# Altium PCB BBB_Cape_4_Layer_template.PcbDoc
Units mm, origin at the board's own origin, x right, y up, seen from the top; angles counter-clockwise.
Board outline 86.36 x 54.61 mm, 4 copper layers (Top, Plane 1, Plane 2, Bottom), stack 1.506 mm thick; 6 components, 82 nets, 92 pads, 0 vias.
Unrouted connection lines stored in the file: 10.
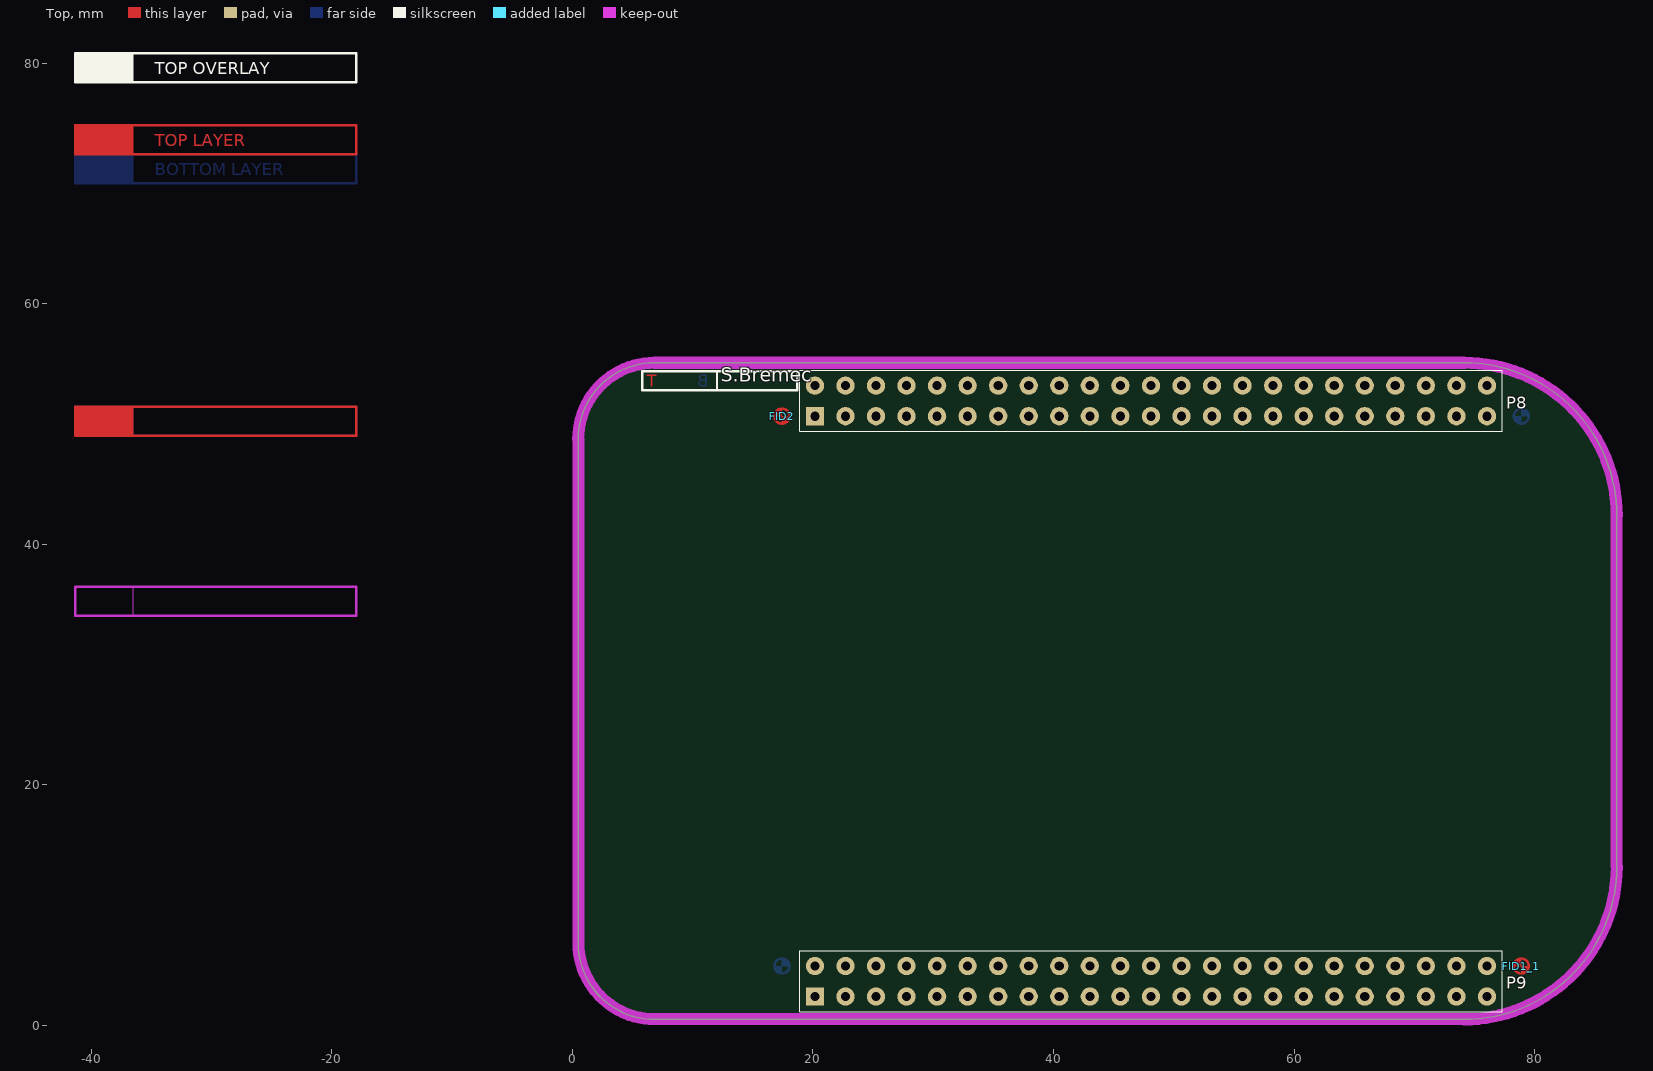
[diagram p0: Top view]
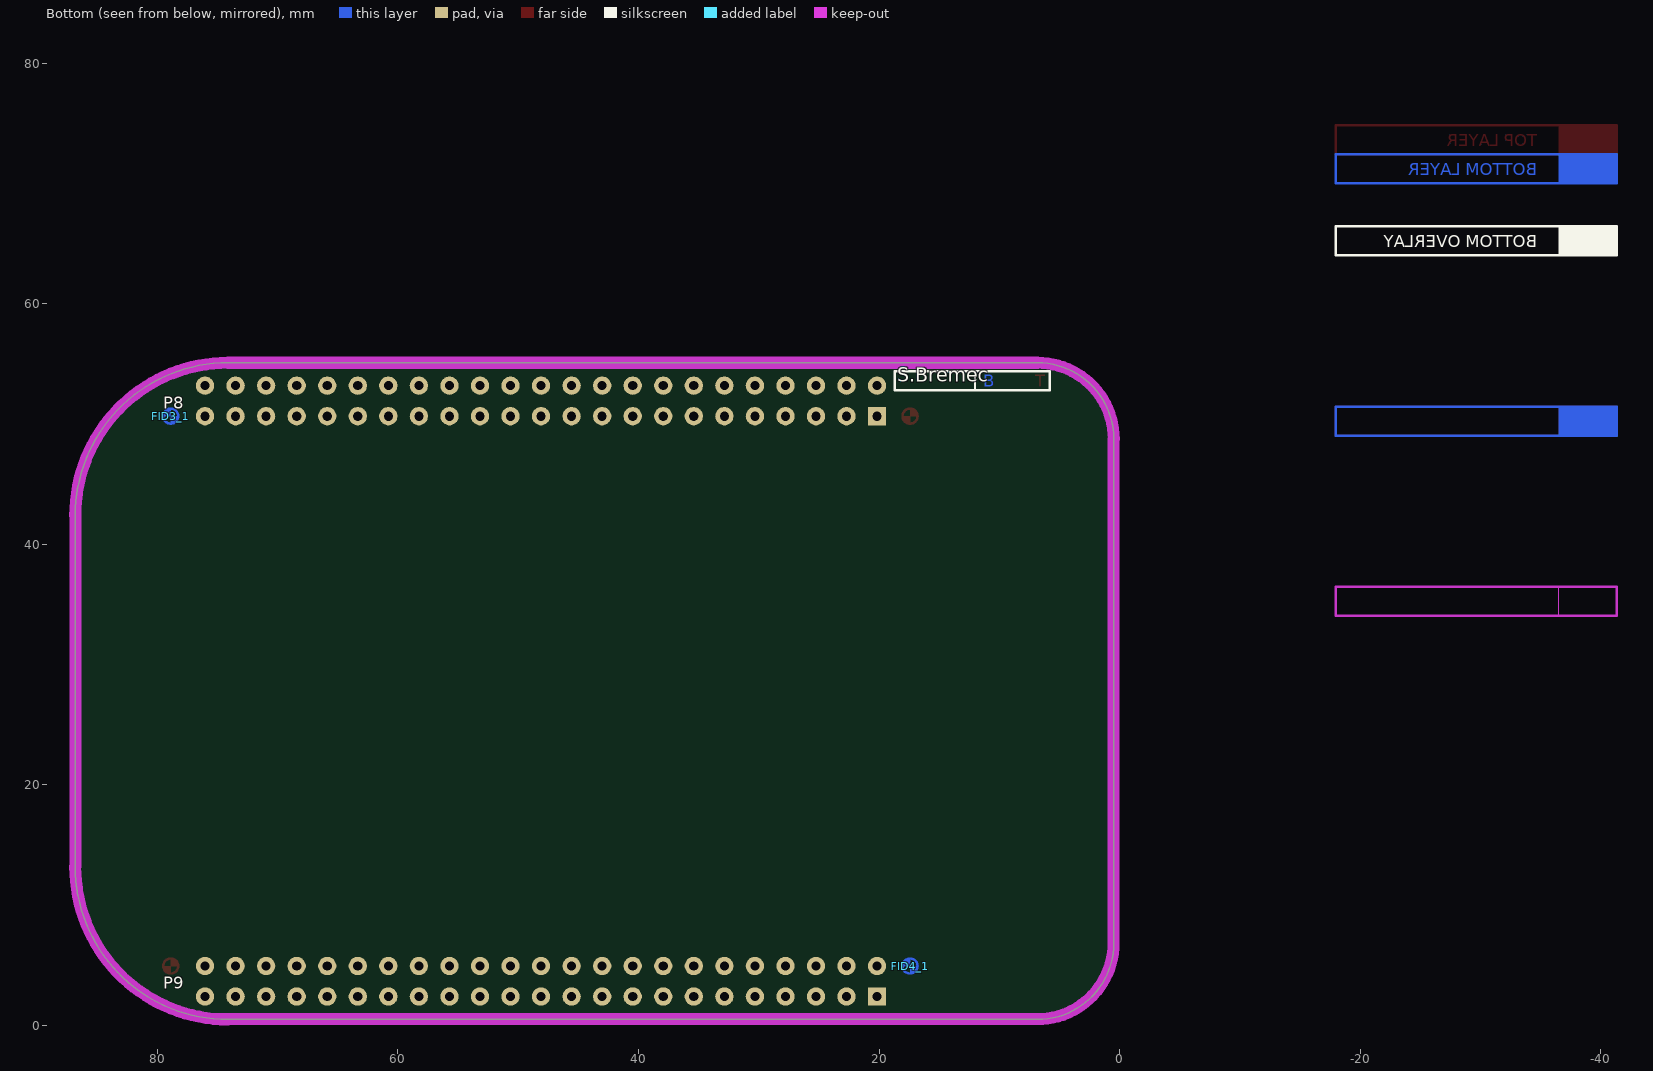
[diagram p1: Bottom view, seen from below]
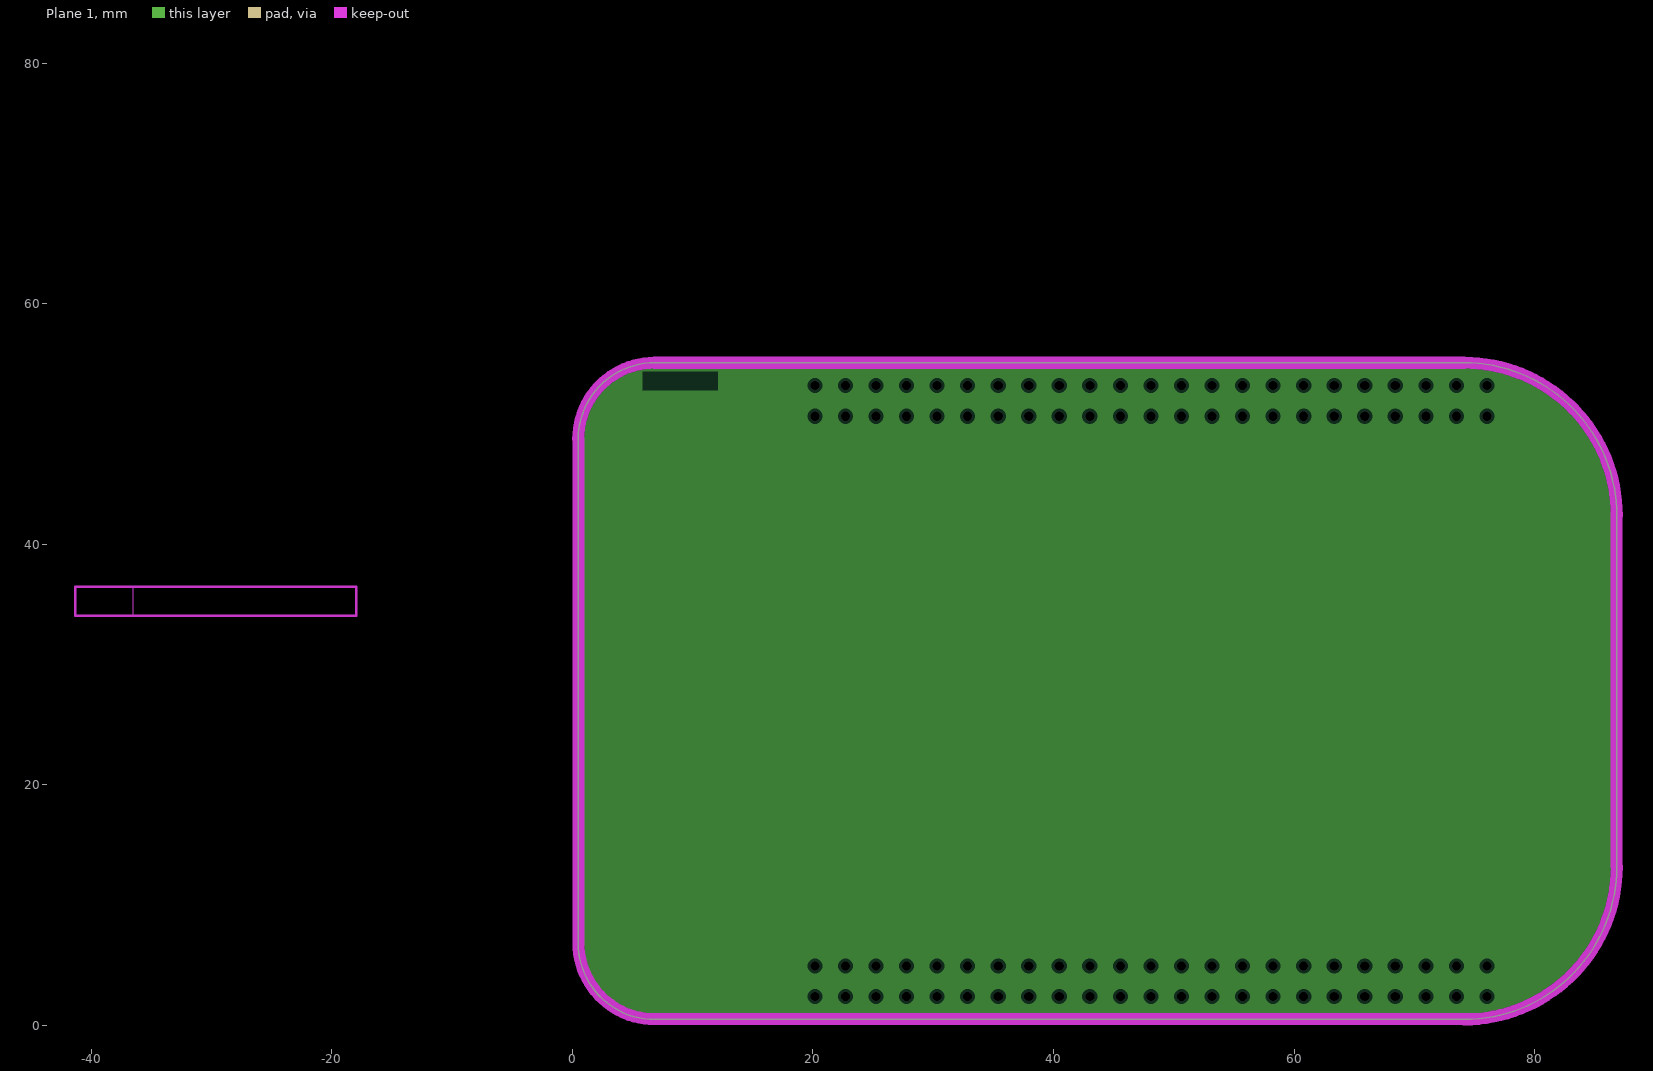
[diagram p2: Plane 1, clearances drawn from the general rule]
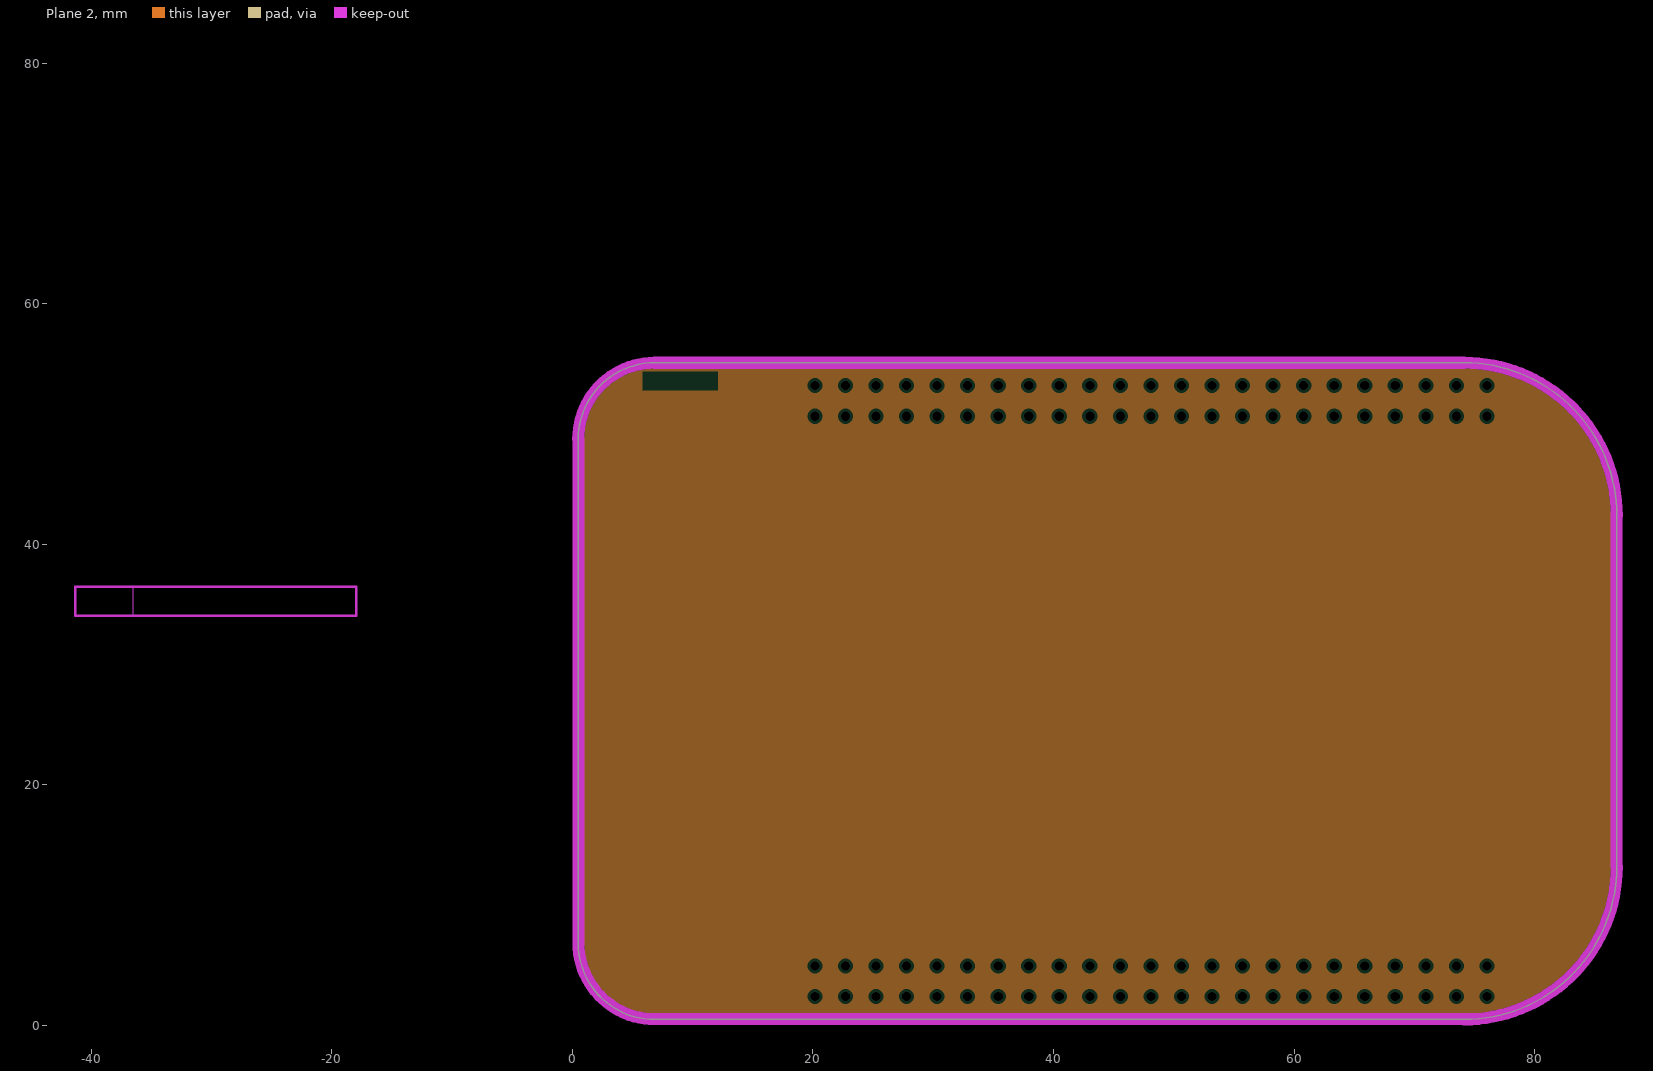
[diagram p3: Plane 2, clearances drawn from the general rule]

## Layer stack, top to bottom
Top: signal copper 0.035
Dielectric: core 0.2, FR-4, Dk 4.8
Plane 1: plane copper 0.018
Dielectric: prepreg 1, FR-4, Dk 4.8
Plane 2: plane copper 0.018
Dielectric: core 0.2, FR-4, Dk 4.8
Bottom: signal copper 0.035

## Board outline
0.478,6.828 ccw(c6.828,6.828) 6.828,0.478 74.138,0.478 ccw(c74.138,13.178) 86.838,13.178 86.838,42.388 ccw(c74.138,42.388) 74.138,55.088 6.828,55.088 ccw(c6.828,48.738) 0.478,48.738

## Design rules (kind name [scope] priority, off if disabled: settings)
AssemblyTestPointUsage [All] p1 off:
AssemblyTestpoint [All] p1 off: testpointundercomponent=TRUE minsize=1.016 maxsize=2.54 preferedsize=1.524 minholesize=0 maxholesize=1.016 preferedholesize=0.813 testpointgrid=0.025 usegrid=TRUE gridtolerance=0 allowsidetop=TRUE allowsidebottom=TRUE
Clearance ClearanceViaPad [IsVia vs IsPad] p1: gap=0.1
Clearance ClearanceGNDpolygons [InPolygonClass('GNDpolygons')] p2: gap=0.3
Clearance ClearanceTechnology [All] p3: gap=0.2
FabricationTestPointUsage [All] p1 off: valid=0 allowmultiple=FALSE
FabricationTestpoint [All] p1 off: side=3 testpointundercomponent=TRUE minsize=1.016 maxsize=2.54 preferedsize=1.524 minholesize=0 maxholesize=1.016 preferedholesize=0.813 testpointgrid=0.025 allowsidetop=TRUE allowsidebottom=TRUE usegrid=TRUE gridtolerance=0
HoleSize [All] p1: absolutevalues=TRUE maxlimit=6.3 minlimit=0.3 maxpercent=80.000 minpercent=20.000
HoleToHoleClearance [All] p1: gap=0.3 allowstackedmicrovias=TRUE
MinimumAnnularRing [All] p1: minimumring=0.2
MinimumSolderMaskSliver [All] p1: minsoldermaskwidth=0
PlaneClearance [All] p1: clearance=0.25
PlaneConnect [All] p1: planeconnectstyle=Relief reliefexpansion=0.508 reliefentries=4 reliefconductorwidth=0.254 reliefairgap=0.254
PolygonConnect PolygonConnectVia [IsVia] p1: connectstyle=Direct reliefconductorwidth=0.4 reliefentries=4 polygonreliefangle="90 Angle" airgapwidth=0.254
PolygonConnect PolygonConnectBigPads [(ObjectKind = 'Pad') And ((AsMM(PadXSize_AllLayers) > 2) Or (AsMM(PadYSize_AllLayers) > 2))] p2: connectstyle=Direct reliefconductorwidth=0.4 reliefentries=4 polygonreliefangle="90 Angle" airgapwidth=0.254
PolygonConnect PolygonConnectGeneral [All] p3: connectstyle=Relief reliefconductorwidth=0.3 reliefentries=4 polygonreliefangle="90 Angle" airgapwidth=0.2
RoomDefinition TopLevel [InComponentClass('TopLevel')] p1: confinementstyle=ConfineIn formatcopy=TRUE lockcomponents=FALSE outline -0.058,-0.04 87.26,-0.04 87.3,-0.075 87.3,55.61 87.166,55.725 86.661,55.294 -0.3,55.294
RoutingVias [All] p1: holewidth=0.6 width=1.2 viastyle="Through Hole" minholewidth=0.3 minwidth=0.7 maxholewidth=0.9 maxwidth=1.4
SilkToSilkClearance [All] p1: silktosilkclearance=0.15
SilkToSolderMaskClearance SilkscreenOverComponentPads [IsPad] p1: minsilkscreentomaskgap=0.1 clearancetoexposedcopper=FALSE
SolderMaskExpansion [All] p1: expansion=0.1
Width WidthTechnology [All] p1: maxlimit=3 minlimit=0.16 preferedwidth=0.6 minimp=50.000000 maximp=50.000000 favimp=50.000000
17 further rules are at their usual default settings.

## Classes and differential pairs
component class TopLevel: P8 P9

## Components (designator, comment, footprint, x,y, rotation, side; value= is the part's Value field where it differs from the comment)
FID1_1 "MECH-Fiducial" S_Fiducial 78.9,4.923 r90 top (schematic designator FID1)
FID2 "MECH-Fiducial" S_Fiducial 17.425,50.643 r90 top
FID3_1 "MECH-Fiducial" S_Fiducial 78.9,50.643 r270 bottom (schematic designator FID3)
FID4_1 "MECH-Fiducial" S_Fiducial 17.425,4.923 r270 bottom (schematic designator FID4)
P8 "FEMALE HEADER 2x23" HEADER23X2 48.103,51.913 r0 top
P9 "FEMALE HEADER 2x23" HEADER23X2 48.103,3.653 r0 top

## Footprints (in the part's own frame and the unit in brackets; to place one, negate y for a bottom-side part, rotate by r counter-clockwise, add the part's x,y. Pads: shape width x height; smd on the part's side, far side on the other; paste and mask are expansions set on the pad)
HEADER23X2 [mil] "HEADER23X2"
  rect 60x60 hole 30 mask+2: 1(-1100,-50)
  round 60 hole 30 mask+2: 2(-1100,50) 3(-1000,-50) 4(-1000,50) 5(-900,-50) 6(-900,50) 7(-800,-50) 8(-800,50) 9(-700,-50) 10(-700,50) 11(-600,-50) 12(-600,50) 13(-500,-50) 14(-500,50) 15(-400,-50) 16(-400,50) 17(-300,-50) 18(-300,50) 19(-200,-50) 20(-200,50) 21(-100,-50) 22(-100,50) 23(0,-50) 24(0,50) 25(100,-50) 26(100,50) 27(200,-50) 28(200,50) 29(300,-50) 30(300,50) 31(400,-50) 32(400,50) 33(500,-50) 34(500,50) 35(600,-50) 36(600,50) 37(700,-50) 38(700,50) 39(800,-50) 40(800,50) 41(900,-50) 42(900,50) 43(1000,-50) 44(1000,50) 45(1100,-50) 46(1100,50)
  silkscreen extent -1150,-100 1150,100
S_Fiducial [mm] "Fiducial"
  Top region: 0,-0.625 -0.375,-0.5 -0.625,-0.25 -0.625,0 0,0
  Top region: 0.625,0 0,0 0,0.625 0.375,0.5 0.625,0.25
  Top lines w0.203: 0,0.625 cw(c0,0) 0,-0.625 cw(c0,0) 0,0.625

## Part data
FID1_1 FID2 FID3_1 FID4_1: "Fiducial"
P8 P9: library part HDR_46_F_2_0.1_0.1, "CONN HEADER FMAL 46PS.1\" DL GOLD"

## Nets (pads, with @x,y where several pads share a name; then routed paths per layer and width w, separated by ;. In a path a pad name is that pad's centre, name@x,y a point inside that pad or via, vN(x,y) a via of type N, cw(c..) or ccw(c..) an arc to the next point about the centre after c; other vN are vias at no path point)
AIN0: P9.39
AIN1: P9.40
AIN2: P9.37
AIN3: P9.38
AIN4: P9.33
AIN5: P9.36
AIN6: P9.35
CLKOUT2: P9.41
DGND: P8.1 P8.2 P9.1 P9.2 P9.43 P9.44 P9.45 P9.46
EHRPWM1A: P9.14
EHRPWM1B: P9.16
EHRPWM2A: P8.19
EHRPWM2B: P8.13
GNDA_ADC: P9.34
GPIO0_7: P9.42
GPIO0_26: P8.14
GPIO0_27: P8.17
GPIO1_12: P8.12
GPIO1_13: P8.11
GPIO1_14: P8.16
GPIO1_15: P8.15
GPIO1_16: P9.15
GPIO1_17: P9.23
GPIO1_28: P9.12
GPIO1_29: P8.26
GPIO2_1: P8.18
GPIO3_19: P9.27
GPIO3_21: P9.25
I2C1_SCL: P9.17
I2C1_SDA: P9.18
I2C2_SCL: P9.19
I2C2_SDA: P9.20
LCD_DATA0: P8.45
LCD_DATA1: P8.46
LCD_DATA2: P8.43
LCD_DATA3: P8.44
LCD_DATA4: P8.41
LCD_DATA5: P8.42
LCD_DATA6: P8.39
LCD_DATA7: P8.40
LCD_DATA8: P8.37
LCD_DATA9: P8.38
LCD_DATA10: P8.36
LCD_DATA11: P8.34
LCD_DATA12: P8.35
LCD_DATA13: P8.33
LCD_DATA14: P8.31
LCD_DATA15: P8.32
LCD_DE: P8.30
LCD_HSYNC: P8.29
LCD_PCLK: P8.28
LCD_VSYNC: P8.27
MMC1_CLK: P8.21
MMC1_CMD: P8.20
MMC1_DAT0: P8.25
MMC1_DAT1: P8.24
MMC1_DAT2: P8.5
MMC1_DAT3: P8.6
MMC1_DAT4: P8.23
MMC1_DAT5: P8.22
MMC1_DAT6: P8.3
MMC1_DAT7: P8.4
PWR_BUT: P9.9
SPI1_CS0: P9.28
SPI1_D0: P9.29
SPI1_D1: P9.30
SPI1_SCLK: P9.31
SYS_5V: P9.7 P9.8
SYS_RESETN: P9.10
TIMER4: P8.7
TIMER5: P8.9
TIMER6: P8.10
TIMER7: P8.8
UART1_RXD: P9.26
UART1_TXD: P9.24
UART2_RXD: P9.22
UART2_TXD: P9.21
UART4_RXD: P9.11
UART4_TXD: P9.13
VDD_3V3B: P9.3 P9.4
VDD_5V: P9.5 P9.6
VDD_ADC: P9.32
copper on no net: | length 103.1
  Top w0.2: -41.342,72.414 -17.974,72.414 -17.974,74.827 -41.342,74.827 -41.342,72.414
  Bottom w0.2: -41.342,70.001 -17.974,70.001 -17.974,72.414 -41.342,72.414 -41.342,70.001

## Polygon pours and split planes (outlines as drawn)
no net on Plane 1 (split plane): 74.617,54.578 75.096,54.55 75.572,54.503 76.047,54.437 76.518,54.353 76.986,54.251 77.45,54.13 77.908,53.99 78.361,53.834 78.807,53.659 79.246,53.467 79.677,53.258 80.099,53.032 80.513,52.79 80.916,52.532 81.309,52.258 81.691,51.969 82.061,51.665 82.42,51.346 82.765,51.014 83.097,50.669 83.415,50.311 83.719,49.941 84.008,49.559 84.282,49.166 84.54,48.762 84.783,48.349 85.008,47.926 85.217,47.495 85.409,47.056 85.584,46.61 85.741,46.158 85.88,45.699 86.001,45.236 86.104,44.768 86.188,44.296 86.254,43.822 86.301,43.345 86.329,42.867 86.338,42.407 86.336,42.388 86.336,13.178 86.338,13.159 86.329,12.699 86.301,12.221 86.254,11.744 86.188,11.269 86.104,10.798 86.001,10.33 85.88,9.866 85.741,9.408 85.584,8.955 85.409,8.509 85.217,8.07 85.008,7.639 84.783,7.217 84.54,6.803 84.282,6.4 84.008,6.007 83.719,5.625 83.415,5.255 83.097,4.897 82.765,4.551 82.42,4.219 82.061,3.901 81.691,3.597 81.309,3.308 80.916,3.034 80.513,2.776 80.099,2.533 79.677,2.308 79.246,2.099 78.807,1.907 78.361,1.732 77.908,1.575 77.45,1.436 76.986,1.315 76.518,1.212 76.047,1.128 75.572,1.063 75.096,1.016 74.617,0.987 74.157,0.978 74.138,0.98 6.828,0.98 6.811,0.979 6.5,0.987 6.173,1.015 5.848,1.061 5.527,1.125 5.209,1.207 4.896,1.306 4.59,1.423 4.29,1.557 3.999,1.708 3.716,1.875 3.443,2.057 3.181,2.254 2.93,2.466 2.692,2.691 2.466,2.93 2.255,3.181 2.057,3.443 1.875,3.716 1.708,3.998 1.558,4.29 1.424,4.589 1.307,4.896 1.207,5.208 1.125,5.526 1.061,5.848 1.015,6.173 0.988,6.5 0.979,6.811 0.981,6.828 0.981,48.738 0.979,48.755 0.988,49.066 1.015,49.393 1.061,49.718 1.125,50.039 1.207,50.357 1.307,50.67 1.424,50.976 1.558,51.276 1.708,51.567 1.875,51.85 2.057,52.123 2.255,52.385 2.466,52.636 2.692,52.874 2.93,53.1 3.181,53.311 3.443,53.509 3.716,53.691 3.999,53.858 4.29,54.008 4.59,54.142 4.896,54.259 5.209,54.359 5.527,54.441 5.848,54.505 6.173,54.551 6.5,54.578 6.811,54.587 6.828,54.585 74.138,54.585 74.157,54.587
no net on Plane 2 (split plane): 74.617,54.578 75.096,54.55 75.572,54.503 76.047,54.437 76.518,54.353 76.986,54.251 77.45,54.13 77.908,53.99 78.361,53.834 78.807,53.659 79.246,53.467 79.677,53.258 80.099,53.032 80.513,52.79 80.916,52.532 81.309,52.258 81.691,51.969 82.061,51.665 82.42,51.346 82.765,51.014 83.097,50.669 83.415,50.311 83.719,49.941 84.008,49.559 84.282,49.166 84.54,48.762 84.783,48.349 85.008,47.926 85.217,47.495 85.409,47.056 85.584,46.61 85.741,46.158 85.88,45.699 86.001,45.236 86.104,44.768 86.188,44.296 86.254,43.822 86.301,43.345 86.329,42.867 86.338,42.407 86.336,42.388 86.336,13.178 86.338,13.159 86.329,12.699 86.301,12.221 86.254,11.744 86.188,11.269 86.104,10.798 86.001,10.33 85.88,9.866 85.741,9.408 85.584,8.955 85.409,8.509 85.217,8.07 85.008,7.639 84.783,7.217 84.54,6.803 84.282,6.4 84.008,6.007 83.719,5.625 83.415,5.255 83.097,4.897 82.765,4.551 82.42,4.219 82.061,3.901 81.691,3.597 81.309,3.308 80.916,3.034 80.513,2.776 80.099,2.533 79.677,2.308 79.246,2.099 78.807,1.907 78.361,1.732 77.908,1.575 77.45,1.436 76.986,1.315 76.518,1.212 76.047,1.128 75.572,1.063 75.096,1.016 74.617,0.987 74.157,0.978 74.138,0.98 6.828,0.98 6.811,0.979 6.5,0.987 6.173,1.015 5.848,1.061 5.527,1.125 5.209,1.207 4.896,1.306 4.59,1.423 4.29,1.557 3.999,1.708 3.716,1.875 3.443,2.057 3.181,2.254 2.93,2.466 2.692,2.691 2.466,2.93 2.255,3.181 2.057,3.443 1.875,3.716 1.708,3.998 1.558,4.29 1.424,4.589 1.307,4.896 1.207,5.208 1.125,5.526 1.061,5.848 1.015,6.173 0.988,6.5 0.979,6.811 0.981,6.828 0.981,48.738 0.979,48.755 0.988,49.066 1.015,49.393 1.061,49.718 1.125,50.039 1.207,50.357 1.307,50.67 1.424,50.976 1.558,51.276 1.708,51.567 1.875,51.85 2.057,52.123 2.255,52.385 2.466,52.636 2.692,52.874 2.93,53.1 3.181,53.311 3.443,53.509 3.716,53.691 3.999,53.858 4.29,54.008 4.59,54.142 4.896,54.259 5.209,54.359 5.527,54.441 5.848,54.505 6.173,54.551 6.5,54.578 6.811,54.587 6.828,54.585 74.138,54.585 74.157,54.587

## Keep-outs
Keep-Out Layer:
  rectangle: -41.342,34.035 -36.516,36.448
  lines w0.2: -41.342,34.035 -17.974,34.035 -17.974,36.448 -41.342,36.448 -41.342,34.035
  lines w1: 0.478,48.738 cw(c6.828,48.738) 6.828,55.088 ; 0.49,6.8 0.49,48.75 ; 0.5,6.85 ccw(c6.85,6.85) 6.85,0.5 ; 6.675,0.5 75.125,0.5 ; 6.828,55.085 74.138,55.085 ; 74.138,0.478 ccw(c74.138,13.178) 86.838,13.178 ; 74.138,55.088 cw(c74.138,42.388) 86.838,42.388 ; 86.825,13.178 86.825,43.05
  text "ROUTING KEEPOUT LAYER" at -34.738,34.721 h0.89

## Other copper
Top:
  rectangle: -41.342,72.414 -36.516,74.827
  pour cut-out: 5.855,54.347 12.068,54.347 12.075,54.34 12.075,52.808 5.888,52.808 5.855,52.775
  text "TOP LAYER" at -34.738,73.1 h1.02
  text "T" at 6.161,53.1 h1
Bottom:
  rectangle: -41.342,70.001 -36.516,72.414
  pour cut-out: 5.855,54.347 12.068,54.347 12.075,54.34 12.075,52.808 5.888,52.808 5.855,52.775
  text "BOTTOM LAYER" at -34.738,70.687 h1.02
  text "B" at 11.325,53.1 h1
Plane 1 (plane layer: these items are gaps in the copper):
  pour cut-out: 5.855,54.347 12.068,54.347 12.075,54.34 12.075,52.808 5.888,52.808 5.855,52.775
  text "1" at 7.66,53.1 h1
Plane 2 (plane layer: these items are gaps in the copper):
  pour cut-out: 5.855,54.347 12.068,54.347 12.075,54.34 12.075,52.808 5.888,52.808 5.855,52.775
  text "2" at 9.159,53.1 h1
Multi-Layer:
  rectangle: -41.342,49.021 -36.516,51.434
  lines w0.2: -41.342,49.021 -17.974,49.021 -17.974,51.434 -41.342,51.434 -41.342,49.021
  text "MULTILAYER" at -34.738,49.707 h1.02

## Silkscreen, mask and mechanical layers (free items; w line width, h text height)
Top Overlay:
  rectangle: -41.342,78.409 -36.516,80.822
  lines w0.2: 12.02,52.833 12.02,54.365 ; -41.342,78.409 -41.342,80.822 -17.974,80.822 -17.974,78.409 -41.342,78.409 ; 5.8,52.8 18.701,52.8 18.701,54.375 5.8,54.375 5.8,52.8
  text "TOP OVERLAY" at -34.738,79.094 h1.02
  text "S.Bremec" at 12.325,53.075 h2
Bottom Overlay:
  rectangle: -41.342,64.007 -36.516,66.42
  lines w0.2: 12.02,52.816 12.02,54.373 ; -41.342,64.007 -41.342,66.42 -17.974,66.42 -17.974,64.007 -41.342,64.007 ; 5.8,52.8 5.8,54.372 18.701,54.372 18.701,52.8 5.8,52.8
  text "BOTTOM OVERLAY" at -34.738,64.693 h1.02
  text "S.Bremec" at 18.475,53.1 h2
Top Paste:
  rectangle: -41.342,81.406 -36.516,83.819
  lines w0.2: -41.342,81.406 -17.974,81.406 -17.974,83.819 -41.342,83.819 -41.342,81.406
  text "TOP PASTE" at -34.738,82.092 h1.02
Bottom Paste:
  rectangle: -41.342,61.01 -36.516,63.423
  lines w0.2: -41.342,61.01 -17.974,61.01 -17.974,63.423 -41.342,63.423 -41.342,61.01
  text "BOTTOM PASTE" at -34.738,61.695 h1.02
Top Solder:
  rectangle: -41.342,75.411 -36.516,77.824
  lines w0.2: -41.342,75.411 -41.342,77.824 -17.974,77.824 -17.974,75.411 -41.342,75.411
  text "TOP SOLDER MASK" at -34.738,76.097 h1.02
Bottom Solder:
  rectangle: -41.342,67.004 -36.516,69.417
  lines w0.2: -41.342,67.004 -17.974,67.004 -17.974,69.417 -41.342,69.417 -41.342,67.004
  text "BOTTOM SOLDER MASK" at -34.738,67.69 h1.02
Drill Guide:
  rectangle: -41.342,58.012 -36.516,60.425
  lines w0.2: -41.342,58.012 -41.342,60.425 -17.974,60.425 -17.974,58.012 -41.342,58.012
  text "DRILL GUIDE (SLOTS)" at -34.738,58.698 h1.02
Outline:
  rectangle: -41.342,52.018 -36.516,54.431
  lines w0.1: 0.478,48.738 cw(c6.828,48.738) 6.828,55.088 ; 0.49,6.85 0.49,48.8 ; 0.5,6.85 ccw(c6.85,6.85) 6.85,0.5 ; 6.675,0.492 74.138,0.492 ; 6.828,55.085 74.138,55.085 ; 74.138,0.478 ccw(c74.138,13.178) 86.838,13.178 ; 74.138,55.088 cw(c74.138,42.388) 86.838,42.388 ; 86.835,12.675 86.835,42.388
  lines w0.2: -41.342,52.018 -41.342,54.431 -17.974,54.431 -17.974,52.018 -41.342,52.018
  lines w0.25: -36.301,130.925 93.751,130.925 ; -36.301,135.07 93.751,135.07 ; -37.825,104.325 ccw(c-36.475,104.325) -36.475,102.975 93.925,102.975 ccw(c93.925,104.325) 95.275,104.325 95.275,138.725 ccw(c93.925,138.725) 93.925,140.075 -36.475,140.075 ccw(c-36.475,138.725) -37.825,138.725 -37.825,104.325
  lines w0.254: -40.357,150.052 72.525,150.052 72.525,144.35 ; -40.357,155.177 72.525,155.177 72.525,149.486 ; -39.056,86.105 -19.498,86.105 ; 36.525,144.35 36.525,150.052 ; 72.525,155.175 98.5,155.175 ; -43.882,31.825 -15.18,31.825 -15.18,91.693 -43.882,91.693 -43.882,31.825 ; -40.357,144.35 98.525,144.35 98.525,162.4 -40.357,162.4 -40.357,144.35
  text ".GlobalProjectName" at -28.6,157.325 h3
  text "Project:" at -38.881,157.166 h1.2
  text ".GlobalProjectTeam" at -31.125,151.65 h2.03
  text ".GlobalProjectLink" at 38.675,151.65 h2.03
  text "Team:" at -38.881,151.575 h1.2
  text "More info:" at 28.875,151.575 h1.2
  text ".GlobalProjectRevision" at 78.525,146.35 h5
  text ".Pcb_File_Name_No_Path" at -24.475,146.284 h2.03
  text "PCB file name:" at -38.881,146.257 h1.2
  text ".GlobalRevisionDate" at 51.644,145.857 h2.03
  text "Rev:" at 74.525,145.857 h1.2
  text "Revision date:" at 38.469,145.757 h1.2
  text "Layer Stack Up Detail for: 4 Layer Seed Fusion template.PcbDoc" at -36.301,136.178 h1.9
  text "Layer" at -36.301,133.52 h0.95
  text "Gerber" at -8.733,133.52 h0.95
  text "Copper" at 5.562,133.52 h0.95
  text "Dielectric" at 21.409,133.52 h0.95
  text "Dielectric" at 37.921,133.52 h0.95
  text "Dielectric" at 58.741,133.52 h0.95
  text "Dielectric" at 75.252,133.52 h0.95
  text "Name" at -36.301,131.62 h0.95
  text "Document" at -8.733,131.62 h0.95
  text "Thickness" at 5.562,131.62 h0.95
  text "Height" at 21.409,131.62 h0.95
  text "Material" at 37.921,131.62 h0.95
  text "Constant" at 58.741,131.62 h0.95
  text "Type" at 75.252,131.62 h0.95
  text "Top Solder Mask" at -36.301,128.868 h1.35
  text "(.GTS)" at -8.733,128.868 h1.35
  text "0.0102mm" at 21.409,128.868 h1.35
  text "Solder Resist" at 37.921,128.868 h1.35
  text "3.50" at 58.741,128.868 h1.35
  text "Top" at -36.301,125.003 h1.35
  text "(.GTL)" at -8.733,125.003 h1.35
  text "0.035mm" at 5.562,125.003 h1.35
  text "0.2mm" at 21.409,123.071 h1.35
  text "FR-4" at 37.921,123.071 h1.35
  text "4.80" at 58.741,123.071 h1.35
  text "Core" at 75.252,123.071 h1.35
  text "Plane 1" at -36.301,121.139 h1.35
  text "(.GP1)" at -8.733,121.139 h1.35
  text "0.018mm" at 5.562,121.139 h1.35
  text "1mm" at 21.409,119.206 h1.35
  text "FR-4" at 37.921,119.206 h1.35
  text "4.80" at 58.741,119.206 h1.35
  text "PrePreg" at 75.252,119.206 h1.35
  text "Plane 2" at -36.301,117.274 h1.35
  text "(.GP2)" at -8.733,117.274 h1.35
  text "0.018mm" at 5.562,117.274 h1.35
  text "0.2mm" at 21.409,115.342 h1.35
  text "FR-4" at 37.921,115.342 h1.35
  text "4.80" at 58.741,115.342 h1.35
  text "Core" at 75.252,115.342 h1.35
  text "Bottom" at -36.301,113.409 h1.35
  text "(.GBL)" at -8.733,113.409 h1.35
  text "0.035mm" at 5.562,113.409 h1.35
  text "Bottom Solder Mask" at -36.301,109.545 h1.35
  text "(.GBS)" at -8.733,109.545 h1.35
  text "0.0102mm" at 21.409,109.545 h1.35
  text "Solder Resist" at 37.921,109.545 h1.35
  text "3.50" at 58.741,109.545 h1.35
  text "LAYER USAGE" at -39.056,86.816 h2.03
  text "BOARD OUTLINE" at -34.738,52.704 h1.02
Dimensions:
  rectangle: -41.342,37.032 -36.516,39.445
  lines w0.2: -41.146,-10.834 -23.061,-10.834 ; -41.07,-2.782 -22.985,-2.782 ; -41.07,16.369 -22.985,16.369 ; -41.045,8.673 -22.96,8.673 ; -40.918,19.798 -22.833,19.798 ; -41.342,37.032 -41.342,39.445 -17.974,39.445 -17.974,37.032 -41.342,37.032
  lines w0.254: -42.064,-17.8 -17.908,-17.8 -17.908,23.583 -42.064,23.583 -42.064,-17.8
  text "DIMENSIONS" at -34.738,37.718 h1.02
  text "BUILD STATISTICS" at -40.816,20.586 h1.52
  text "GENERAL" at -41.019,16.877 h1.02
  text ".Net_Count" at -31.342,14.769 h1.02
  text "NETS" at -40.943,14.718 h0.89
  text ".Component_Count" at -31.342,12.686 h1.02
  text "COMPONENTS" at -40.918,12.661 h0.89
  text "PRIMITIVES" at -40.994,9.181 h1.02
  text ".Fill_Count" at -31.342,7.048 h1.02
  text "FILLS" at -40.918,7.022 h0.89
  text ".Track_Count" at -31.342,4.99 h1.02
  text "TRACKS" at -40.918,4.939 h0.89
  text ".String_Count" at -31.342,2.907 h1.02
  text "STRINGS" at -40.918,2.857 h0.89
  text ".Arc_Count" at -31.342,0.799 h1.02
  text "ARC'S" at -40.918,0.748 h0.89
  text "LANDS" at -41.019,-2.274 h1.02
  text ".Pad_Count" at -31.342,-4.408 h1.02
  text ".Pad_Count" at -31.342,-4.408 h1.02
  text "PADS" at -40.918,-4.459 h0.89
  text ".Via_Count" at -31.342,-6.491 h1.02
  text "VIA'S" at -40.892,-6.516 h0.89
  text "PRINT SCALE" at -41.095,-10.326 h1.02
  text ".Print_Scale" at -31.393,-12.485 h1.02
  text "SCALE" at -40.968,-12.51 h0.89
  text ".Print_Date" at -31.393,-14.542 h1.02
  text "PRINT DATE" at -40.943,-14.568 h0.89
  text ".Print_Time" at -31.367,-16.6 h1.02
  text "PRINT TIME" at -40.918,-16.625 h0.89
Frame:
  the board outline again, w0.025
Assembly Top:
  rectangle: -41.342,46.024 -36.516,48.437
  lines w0.2: -41.342,46.024 -17.974,46.024 -17.974,48.437 -41.342,48.437 -41.342,46.024
  text "TOP ASSEMBLY" at -34.738,46.709 h1.02
Assembly Bot:
  rectangle: -41.342,43.026 -36.516,45.439
  lines w0.2: -41.342,43.026 -17.974,43.026 -17.974,45.439 -41.342,45.439 -41.342,43.026
  text "BOTTOM ASSEMBLY" at -34.738,43.712 h1.02
Drill Drawing:
  rectangle: -41.342,55.015 -36.516,57.428
  lines w0.025: -1.24,85.273 -0.922,85.908 -1.24,86.543 -0.605,86.225 0.03,86.543 -0.287,85.908 0.03,85.273 -0.605,85.59 -1.24,85.273
  lines w0.2: -41.342,55.015 -17.974,55.015 -17.974,57.428 -41.342,57.428 -41.342,55.015
  lines w0.381: -2.97,84.13 95.556,84.13 ; -2.97,87.94 95.556,87.94 ; 11.022,80.32 11.022,91.75 ; 28.747,80.32 28.747,91.75 ; 62.925,80.32 62.925,91.75 ; 75.774,80.32 75.774,91.75 ; -2.97,80.32 -2.97,91.75 95.556,91.75 95.556,80.32 -2.97,80.32
  text "Symbol" at -0.684,89.083 h1.83
  text "Hit Count" at 12.165,89.083 h1.83
  text "Finished Hole Size" at 29.89,89.083 h1.83
  text "Plated" at 64.068,89.083 h1.83
  text "Hole Type" at 76.917,89.083 h1.83
  text "2" at 12.165,85.273 h1.52
  text "3.0mm" at 29.89,85.273 h1.52
  text "PTH" at 64.068,85.273 h1.52
  text "Round" at 76.917,85.273 h1.52
  text "2 Total" at 12.165,81.463 h1.52
  text "DRILL DRAWING" at -34.738,55.701 h1.02

## Dimensions
0.49,6.85 to 86.835,12.675 on Drill Drawing
74.138,55.085 to 74.138,0.492 on Drill Drawing